# Allegro board PROC048A_BRD.brd (continued)
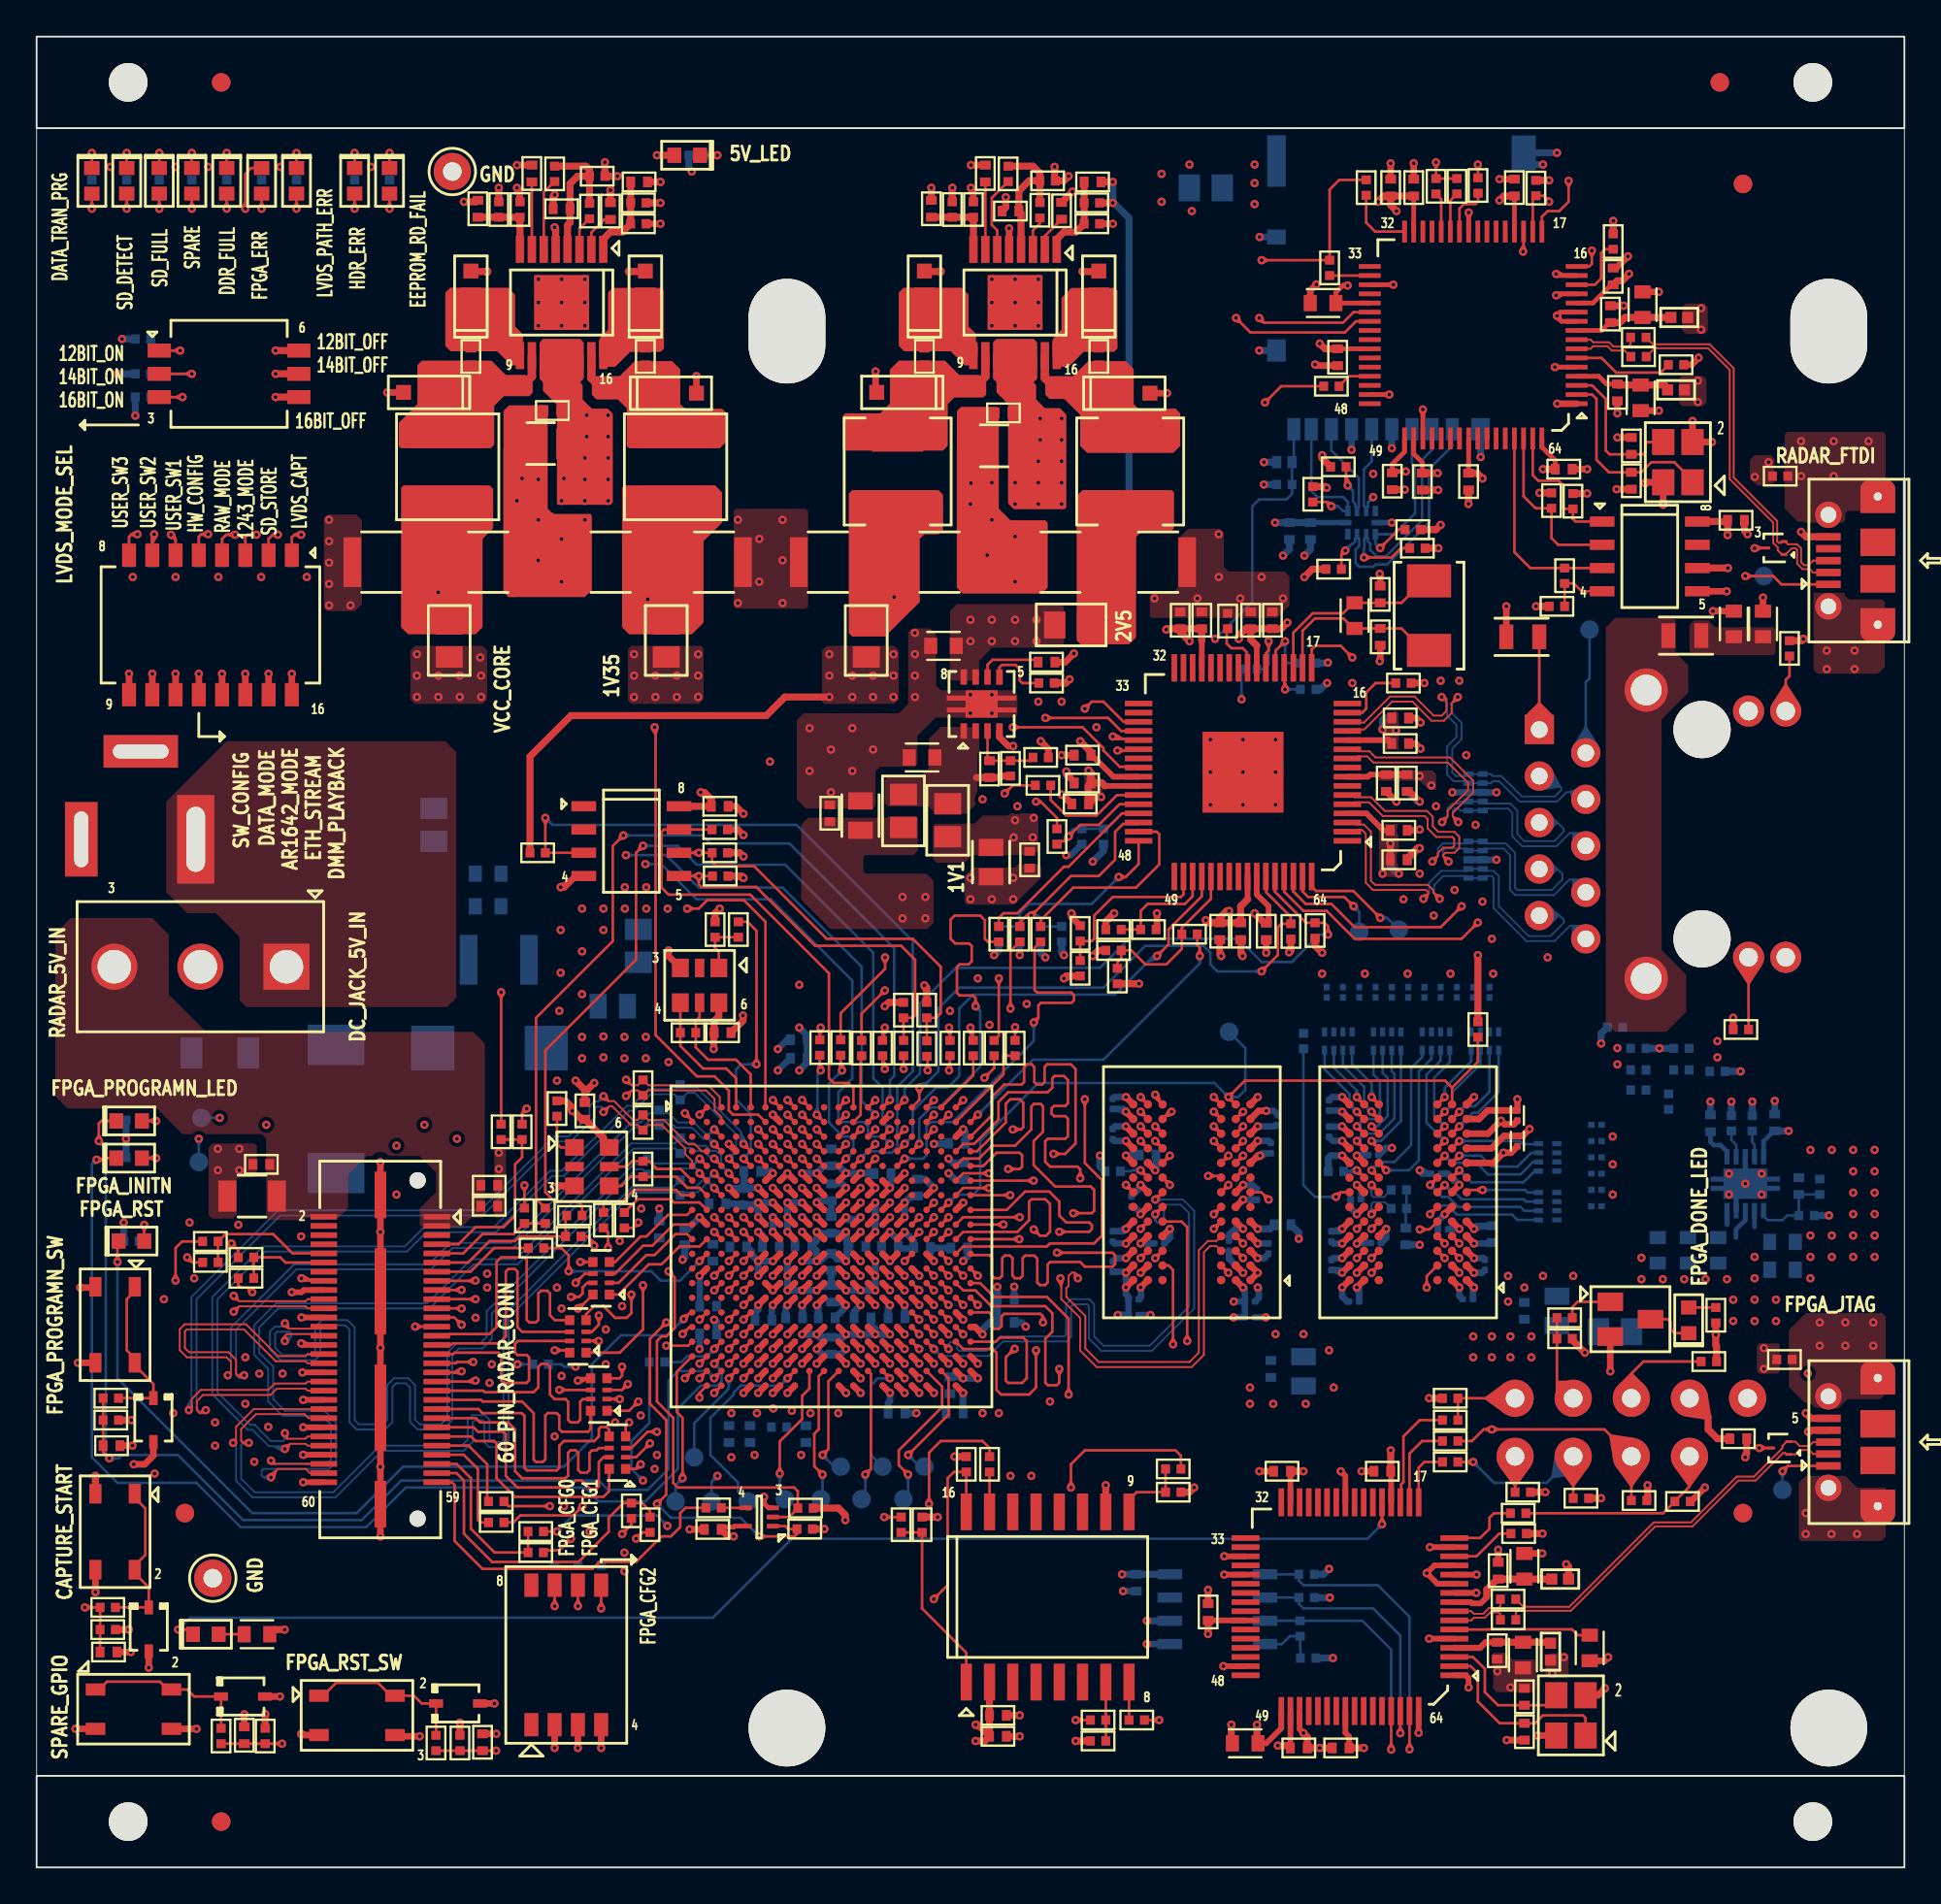
[diagram p0: board, top side]
## Routing (per net, layer and track width the routed paths; a pad name or vN(x,y) marks a point on that pad's centre or on a via; arc(x,y) is an arc through that point) (continued)
DDR3_DQ4: length 36.8
  TOP w0.14: v1(75.53,34.84) 76.07,34.84 U11.E3 ; U12.U20 52.38,28.71 52.61,28.94 53.88,28.94 54.07,28.75 54.07,26.72 53.82,26.46 53.05,26.46 52.93,26.59 52.93,27.86 53.39,28.33 v1(53.41,28.33)
  L08_SIG2 w0.107: v1(53.41,28.33) 54.01,27.73 54.77,27.73 55.38,28.34 57.53,28.34 58.05,27.81 62.03,27.81 62.46,28.25 68.29,28.25 68.67,28.63 68.67,29.89 69.06,30.27 72.04,30.27 72.74,30.97 72.74,30.97 75.15,33.38 75.15,34.46 v1(75.53,34.84)
DDR3_DQ5: length 36.8
  TOP w0.14: U12.P18 v1(49.8,30.71) ; U11.E8 v1(72.1,34.88)
  L08_SIG2 w0.107: v1(72.1,34.88) 71.62,35.35 68.52,35.35 68.32,35.15 68.32,32.92 68.21,32.81 68,32.81 67.89,32.92 67.89,35.12 67.78,35.23 67.4,35.23 67.28,35.1 67.28,32.48 66.9,32.1 64.63,32.1 64.53,32.2 64.53,33.27 64.42,33.37 64.21,33.37 64.1,33.27 64.1,32.2 63.99,32.1 63.78,32.1 63.67,32.2 63.67,33.27 63.56,33.37 63.35,33.37 63.24,33.27 63.24,31.95 62.96,31.67 61.31,31.67 60.88,32.1 58.69,32.1 58.26,31.67 53.94,31.67 53.56,31.29 50.38,31.29 v1(49.8,30.71)
DDR3_DQ6: length 36.8
  TOP w0.14: U11.D2 v1(77.7,34.08) ; U12.U16 v1(48.2,28.31)
  L08_SIG2 w0.107: v1(48.2,28.31) 48.58,27.93 51.58,27.93 51.91,27.61 51.91,27.1 52.48,26.53 64.1,26.53 64.57,27 71.38,27 74.77,30.4 74.77,31.07 75.76,32.06 77.83,32.06 78.08,32.3 78.08,33.7 v1(77.7,34.08)
DDR3_DQ7: length 36.6
  TOP w0.14: U11.E7 v1(72.9,34.88) ; U12.P20 v1(51.4,30.71)
  L08_SIG2 w0.107: v1(51.4,30.71) 53.62,30.71 54.2,31.29 67.28,31.29 67.53,31.54 67.53,32.18 67.66,32.3 68.04,32.3 68.42,31.92 68.8,31.92 68.93,32.05 68.93,33.79 69.04,33.9 69.33,33.9 69.44,33.79 69.44,32 69.51,31.92 69.76,31.92 69.86,32.03 69.86,34.74 69.97,34.84 70.71,34.84 71.09,34.46 72.48,34.46 72.73,34.21 73.63,34.21 74.39,34.97 75.02,34.97 75.28,35.23 75.28,35.63 75.17,35.73 73.75,35.73 v1(72.9,34.88)
DDR3_DQ8: length 30.9
  TOP w0.14: U12.M19 v1(50.6,32.31) ; U10.B3 v1(65.09,32.48)
  L03_SIG1 w0.107: v1(50.6,32.31) 51.78,31.13 51.78,30.27 51.91,30.15 52.89,30.15 53,30.04 53,29.16 53.11,29.05 53.32,29.05 53.43,29.16 53.43,30.04 53.53,30.15 54.32,30.15 54.45,30.02 54.45,29.26 54.6,29.1 60.9,29.1 61.69,29.89 64,29.89 64.1,30 64.1,31.15 64.25,31.29 64.63,31.29 64.74,31.18 64.74,29.64 64.86,29.51 65.75,29.51 65.88,29.64 65.88,30.94 64.61,32.21 64.61,34.04 64.72,34.14 64.95,34.14 65.09,34.01 v1(65.09,32.48)
DDR3_DQ9: length 30.6
  TOP w0.14: U12.L16 v1(47.4,33.11) ; U10.C7 v1(61.09,33.28)
  L03_SIG1 w0.107: v1(61.09,33.28) 61.09,33.98 61.19,34.08 63.42,34.08 63.53,34.19 63.53,35.05 63.42,35.16 62.43,35.16 62.32,35.05 62.32,34.59 62.2,34.46 60.04,34.46 59.87,34.29 59.87,32.96 59.76,32.86 59.21,32.86 59.11,32.96 59.11,33.98 59,34.08 58.77,34.08 58.57,33.88 58.57,32.49 58.46,32.38 58.11,32.38 58.01,32.49 58.01,33.21 57.9,33.32 56.23,33.32 55.97,33.07 54.83,33.07 54,33.9 52.41,33.9 51.33,34.97 50.75,34.97 50.64,35.08 50.64,35.79 50.53,35.89 49.64,35.89 49.42,35.67 49.42,35.36 49.16,35.09 48.84,35.09 48.62,34.87 48.62,34.57 48.39,34.33 47.72,34.33 47.4,34.01 v1(47.4,33.11)
DDR3_DQ10: length 31.1
  TOP w0.14: U12.R16 v1(48.2,29.91) ; U10.C2 v1(65.89,33.28)
  L03_SIG1 w0.107: v1(48.2,29.91) 48.61,29.51 48.61,27.37 49.68,26.3 64.95,26.3 65.37,26.72 65.37,28.43 65.61,28.67 66.31,28.67 66.64,29 66.64,30.78 67.6,31.74 67.6,33.13 67.03,33.7 66.31,33.7 v1(65.89,33.28)
DDR3_DQ11: length 30.7
  TOP w0.14: U12.N17 v1(49,31.51) ; U10.C8 v1(60.29,33.28)
  L03_SIG1 w0.107: v1(49,31.51) 48.62,31.13 48.04,31.13 47.82,31.36 47.82,33.7 48.07,33.96 48.46,33.96 48.76,34.25 49.1,34.25 49.42,34.57 49.42,34.87 49.64,35.09 50.13,35.09 50.26,34.97 50.26,34.72 50.4,34.58 51.27,34.58 52.28,33.57 53.56,33.57 54.45,32.69 57.24,32.69 57.87,32.06 63.35,32.06 63.47,32.18 63.47,33.66 63.36,33.76 62.64,33.76 62.53,33.66 62.53,32.79 62.42,32.69 62.21,32.69 62.1,32.79 62.1,33.6 62,33.7 61.67,33.7 61.56,33.6 61.56,32.67 61.46,32.56 60.8,32.56 60.67,32.69 60.67,32.89 v1(60.29,33.28)
DDR3_DQ12: length 30.7
  TOP w0.14: U12.M20 v1(51.4,32.31) ; U10.E3 v1(64.29,34.88)
  L03_SIG1 w0.107: v1(51.4,32.31) 51.75,32.31 52.09,31.98 52.09,31.28 52.1,31.27 52.1,30.58 52.21,30.47 55.36,30.47 55.47,30.36 55.47,29.51 55.55,29.43 56.35,29.43 56.46,29.53 56.46,30.48 56.56,30.59 56.78,30.59 56.88,30.48 56.88,29.53 56.99,29.43 57.51,29.43 57.62,29.53 57.62,30.73 57.73,30.84 58.41,30.84 58.51,30.73 58.51,29.55 58.64,29.43 60.72,29.43 61.5,30.21 62.75,30.21 62.86,30.32 62.86,31.12 62.97,31.22 63.18,31.22 63.29,31.12 63.29,30.32 63.39,30.21 63.62,30.21 63.72,30.32 63.72,31.29 64.17,31.74 64.17,34.21 64.42,34.46 65.39,34.46 65.5,34.57 65.5,35.35 65.27,35.58 64.99,35.58 v1(64.29,34.88)
DDR3_DQ13: length 31.1
  TOP w0.14: U12.N18 v1(49.8,31.51) ; U10.E8 v1(60.29,34.88)
  L03_SIG1 w0.107: v1(49.8,31.51) 49.42,31.9 49.42,33.27 49.64,33.5 51.02,33.5 52.21,32.3 52.82,32.3 52.93,32.2 52.93,31.01 53.03,30.91 57.24,30.91 57.37,31.03 57.37,31.61 57.5,31.73 58.07,31.73 58.2,31.61 58.2,31.29 58.32,31.16 59.48,31.16 59.59,31.06 59.59,30.25 59.69,30.15 60.06,30.15 60.17,30.25 60.17,31.18 60.27,31.29 61.54,31.29 61.65,31.18 61.65,30.76 61.75,30.65 62.22,30.65 62.32,30.76 62.32,31.44 62.43,31.54 63.47,31.54 63.85,31.92 63.85,35.37 63.74,35.48 61.69,35.48 61.09,34.88 v1(60.29,34.88)
DDR3_DQ14: length 31.1
  TOP w0.14: U10.D2 v1(65.89,34.08) ; U12.L18 v1(49.8,33.11)
  L03_SIG1 w0.107: v1(65.89,34.08) 65.61,34.08 65.5,33.97 65.5,33.07 65.71,32.86 67.17,32.86 67.28,32.75 67.28,32.2 67.17,32.1 66.43,32.1 66.31,31.97 66.31,29.3 66.13,29.13 64.36,29.13 63.98,29.51 61.82,29.51 61.04,28.73 52.69,28.73 52.55,28.88 52.55,29.28 52.44,29.38 52.14,29.38 52.04,29.28 52.04,28.47 51.93,28.37 51.15,28.37 50.98,28.53 50.98,31.33 50.22,32.09 50.22,32.7 v1(49.8,33.11)
DDR3_DQ15: length 30.7
  TOP w0.14: U12.M18 v1(49.8,32.31) ; v1(62.83,28.75) 62.83,34.97 62.53,35.28 U10.E7
  L03_SIG1 w0.107: v1(49.8,32.31) 49.8,32.06 50.22,31.64 50.22,28.64 50.84,28.02 51.66,28.02 51.87,27.81 55.67,27.81 56.27,28.41 59.47,28.41 59.62,28.26 59.62,27.22 59.73,27.11 59.94,27.11 60.05,27.22 60.05,28.26 60.16,28.37 60.37,28.37 60.48,28.26 60.48,27.22 60.58,27.11 60.8,27.11 60.9,27.22 60.9,28.26 61.01,28.37 61.52,28.37 61.63,28.47 61.63,28.81 62,29.19 62.67,29.19 62.83,29.02 v1(62.83,28.75)
DDR3_DQS0: length 36.8
  TOP w0.102: U12.T19 v1(50.6,29.11) ; U11.C3 v1(76.9,33.28)
  L08_SIG2 w0.089: v1(50.6,29.11) 50.6,28.71 50.69,28.62 50.94,28.62 51.03,28.71 51.03,29.36 51.4,29.73 52.17,29.73 52.29,29.61 52.29,27.35 52.71,26.93 54.83,26.93 55.63,27.73 57.24,27.73 57.77,27.21 62.69,27.21 63.12,27.64 69.47,27.64 69.9,28.07 69.9,29.58 69.99,29.67 70.34,29.67 70.43,29.58 70.43,29.01 70.69,28.75 71.11,28.75 71.37,29.01 71.37,29.58 71.46,29.67 72.29,29.67 76.16,33.54 76.64,33.54 v1(76.9,33.28)
DDR3_DQS0N: length 36.8
  TOP w0.102: U12.R18 v1(49.8,29.91) ; U11.D3 v1(76.9,34.08)
  L08_SIG2 w0.089: v1(49.8,29.91) 49.8,29.72 49.97,29.54 50.62,29.54 50.8,29.54 51.28,30.02 52.29,30.02 52.58,29.73 52.58,27.47 52.83,27.22 54.7,27.22 55.51,28.03 57.37,28.03 57.89,27.5 62.57,27.5 63,27.93 69.35,27.93 69.61,28.19 69.61,29.7 69.87,29.96 70.47,29.96 70.73,29.7 70.73,29.13 70.81,29.04 70.99,29.04 71.08,29.13 71.08,29.7 71.34,29.96 72.17,29.96 76.04,33.83 76.65,33.83 v1(76.9,34.08)
DDR3_DQS1: length 31.2
  TOP w0.102: U12.N16 v1(48.2,31.51) ; v1(55.91,32.18) 55.95,32.13 55.95,31.04 56.99,30 56.99,28.23 57.89,27.33 63.08,27.33 63.75,28 63.75,33.6 64.08,33.94 64.43,33.94 U10.C3
  L03_SIG1 w0.089: v1(55.91,32.18) 55.91,31.64 55.82,31.54 54.61,31.54 54.2,31.96 54.2,32.18 53.18,33.19 52.2,33.19 51.14,34.25 49.54,34.25 49.23,33.94 48.89,33.94 48.24,33.29 48.24,32.89 48.61,32.53 48.61,31.92 v1(48.2,31.51)
DDR3_DQS1N: length 31.2
  TOP w0.102: v1(56.86,32.18) 56.86,32.3 56.68,32.49 56.54,32.49 56.36,32.3 56.36,31.76 56.23,31.64 56.23,31.16 57.27,30.12 57.27,28.34 58.01,27.61 62.96,27.61 63.47,28.11 63.47,33.72 63.97,34.22 64.43,34.22 U10.D3 ; U12.M17 v1(49,32.31)
  L03_SIG1 w0.089: v1(49,32.31) 48.99,32.33 48.99,32.56 48.53,33.02 48.53,33.17 49.01,33.65 49.35,33.65 49.66,33.96 51.02,33.96 52.08,32.9 53.06,32.9 53.9,32.06 53.9,31.84 54.49,31.25 55.94,31.25 56.2,31.52 56.2,31.77 56.36,31.92 56.36,32.05 56.48,32.18 v1(56.86,32.18)
DDR3_ODT: length 45.7
  TOP w0.14: U12.T16 v1(48.2,29.11) ; U11.G1 78.22,37 v1(78.96,37) ; U10.G1 66.88,36.88 v1(67.28,36.48)
  L08_SIG2 w0.107: v1(48.2,29.11) 48.58,28.73 49.16,28.73 49.42,28.99 49.42,31.72 49.62,31.92 51.91,31.92 52.29,32.3 54.32,32.3 54.83,32.81 54.83,33.83 55.28,34.28 55.28,34.79 55.65,35.15 56.05,35.15 57.51,33.7 61.81,33.7 63.85,35.73 63.85,35.99 64.1,36.24 65.12,36.24 65.3,36.06 66.86,36.06 v1(67.28,36.48) 67.64,36.11 71.34,36.11 71.72,36.5 78.07,36.5 78.58,35.99 79.09,35.99 79.22,36.11 79.22,36.75 v1(78.96,37)
  BOTTOM w0.14: RA10.8 81.43,36.86 81.29,37 v1(78.96,37)
DDR3_RASN: length 49.5
  TOP w0.14: v1(55.85,34.72) 57.49,34.72 57.63,34.86 57.63,35.09 57.49,35.23 56.23,35.23 55.85,35.61 55.85,36.37 55.3,36.92 53.98,36.92 52.98,35.91 U12.H20 ; U11.F3 v1(76.1,35.68) ; U10.F3 v1(64.29,35.68)
  L08_SIG2 w0.107: v1(55.85,34.72) 55.85,34.34 55.29,33.78 55.29,32.99 55.42,32.86 61.94,32.86 63.04,33.96 64.74,33.96 65,33.69 66.13,33.69 66.31,33.86 66.31,34.29 66.13,34.46 64.84,34.46 64.74,34.57 64.74,35.22 v1(64.29,35.68) 67,35.68 67.09,35.77 71.56,35.77 71.91,36.11 75.53,36.11 75.66,35.99 75.66,35.48 76.04,35.1 76.04,34.82 76.15,34.72 76.44,34.72 76.55,34.82 76.55,35.22 v1(76.1,35.68)
  BOTTOM w0.14: RA10.5 80.87,35.36 80.57,35.66 77.55,35.66 77.06,36.15 76.57,36.15 v1(76.1,35.68)
DDR3_RSTN: length 42.5
  TOP w0.14: 77.3,42.59 U11.N2 ; 77.3,42.59 78.71,44 R69.2 ; 77.3,42.59 76.92,42.97 65.98,42.97 v1(65.09,42.08) U10.N2 ; U12.H18 v1(49.8,36.31)
  BOTTOM w0.14: v1(49.8,36.31) 49.82,36.31 50.26,36.75 51.15,36.75 51.53,37.13 51.53,39.67 54.7,42.85 64.32,42.85 v1(65.09,42.08) 65.62,42.08 66.01,42.46 66.01,44.75 TP13.1
DDR3_VDD: length 45.2
  TOP w0.33: C74.2 v1(80.87,41.96)
  TOP w0.356: U11.K1 79.46,39.28 80.13,39.95 C75.2 81.15,39.95 v1(81.53,40.33) ; U10.C1 v1(66.69,33.28) ; C74.2 79.24,41.35 78.77,40.88 U11.M1 ; U10.E9 v1(59.49,34.88) ; U10.G8 v1(60.29,37.28) ; U10.E2 v1(65.89,34.88) ; U11.C1 v1(78.5,33.28) ; U10.K9 v1(59.49,39.68) ; U10.A2 v1(65.89,31.68) ; U11.A2 v1(77.7,31.68) ; U11.B9 v1(71.3,32.48) ; U11.K9 v1(71.3,39.68) ; U11.D7 v1(73.7,34.88) ; U10.M1 66.73,41.32 v1(67.15,41.32) ; U10.K1 v1(66.69,39.68) ; U11.G8 v1(72.1,37.28) ; U11.G2 v1(77.7,37.28) ; U11.E2 v1(77.7,34.88) ; U10.B9 v1(59.49,32.48) ; U11.M9 v1(71.3,41.28) ; U10.A9 v1(59.49,31.68) ; U10.G2 v1(65.89,37.28) ; U11.A9 v1(71.3,31.68) ; U11.E9 v1(71.3,34.88) ; U10.D7 v1(61.89,34.88) ; U10.M9 v1(59.49,41.28)
  BOTTOM w0.356: v1(65.89,31.68) 65.98,31.58 C193.1 ; v1(60.29,37.28) 60.29,37.2 60.29,37.19 60.29,37.16 C155.1 ; v1(66.69,33.28) 67.03,33.28 C178.1 ; C197.1 C190.1 59.63,31.16 59.49,31.31 v1(59.49,31.68) v1(59.49,32.48) 59.43,32.53 C186.1 ; v1(59.49,41.28) 59.34,41.42 C128.2 ; C193.1 v1(65.37,30.91) ; C193.1 C198.1 v1(65.37,30.04) ; v1(77.7,34.88) 77.11,34.88 C161.2 ; v1(71.3,39.68) 70.8,39.68 C134.2 ; v1(73.7,34.88) 73.7,34.39 C168.2 ; v1(65.89,37.28) 66.4,37.28 C152.1 ; v1(61.89,34.88) 61.89,34.38 C169.2 ; v1(66.69,39.68) 67.3,39.68 C138.2 ; C154.1 72.35,36.52 72.35,37.03 v1(72.1,37.28) ; C129.1 71.23,41.34 v1(71.3,41.28) ; v1(65.89,34.88) 65.45,34.88 65.12,34.55 C170.2 ; C130.1 67.56,41.32 v1(67.15,41.32) ; v1(77.7,31.68) 77.7,31.21 C189.1 ; C164.2 71.16,34.74 v1(71.3,34.88) ; v1(71.3,31.68) 71.3,31.19 71.57,30.91 C192.2 ; C185.2 71.15,32.62 v1(71.3,32.48) ; C146.2 77.06,37.89 77.44,37.51 77.46,37.51 v1(77.7,37.28) ; C135.1 58.86,39.68 v1(59.49,39.68) ; C184.2 79.01,33.28 v1(78.5,33.28) ; v1(59.49,34.88) 59.35,34.74 C165.1
  BOTTOM w0.381: C197.1 v1(59.05,30.17)
  vias: v1(67.66,29.13) v1(69.18,29.13) v1(70.58,28.24) v1(78.45,29) v1(78.45,27.86) v1(79.47,29) v1(79.47,27.86) v1(80.49,29) v1(80.49,27.86) v1(81.63,29) v1(81.63,27.86)
DDR3_VREF: length 2
  BOTTOM w0.254: U19.6 92.31,39.1 91.96,39.45 91.59,39.45 91.41,39.64 C132.2
DDR3_VTT: length 2.4
  BOTTOM w0.254: 92.8,34.4 92.8,34.84 93.31,35.35 U19.3
  BOTTOM w0.279: U19.5 92.31,35.12
DDR3_WEN: length 49.2
  TOP w0.14: v1(63.98,37.77) 64.6,37.77 U10.H3 ; U12.K20 v1(53.67,34.31) ; U11.H3 v1(76.1,37.28)
  L08_SIG2 w0.107: v1(76.1,37.28) 74.26,37.28 73.88,37.66 71.96,37.66 71.6,38.02 70.04,38.02 69.93,37.91 69.93,37.24 69.83,37.13 69.61,37.13 69.51,37.24 69.51,37.91 69.4,38.02 69.16,38.02 69.05,37.91 69.05,37.76 68.81,37.52 66.28,37.52 66.1,37.7 65.5,37.7 65.43,37.77 v1(63.98,37.77) 63.98,37.36 63.87,37.26 62.94,37.26 62.83,37.15 62.83,35.99 62.58,35.73 61.82,35.73 61.46,36.1 60.57,36.1 60.17,36.5 58.81,36.5 58.7,36.39 58.7,34.7 58.59,34.59 58.38,34.59 58.27,34.7 58.27,36.39 58.17,36.5 57.95,36.5 57.85,36.39 57.85,34.7 57.74,34.59 57.53,34.59 57.42,34.7 57.42,36.11 57.23,36.3 55.28,36.3 54.96,35.99 54.96,34.46 54.51,34.01 54.51,33.11 54.22,32.81 53.29,32.81 53.18,32.92 53.18,34.08 53.41,34.31 v1(53.67,34.31)
  BOTTOM w0.14: 82.02,35.86 81.24,35.86 81.03,36.08 77.64,36.08 77.09,36.62 76.75,36.62 v1(76.1,37.28)
DDR_1V35: length 24.6
  TOP w0.381: C5.1 v1(34.07,92.06) ; R10.1 v1(34.07,90.92)
  L05_PWR1 w0.381: v1(33.37,69.26) 33.37,90.22 v1(34.07,90.92) v1(34.07,92.06)
DDR_FULL_LED7: length 80.1
  TOP w0.14: U12.E10 v1(42.6,38.71) ; LD6.1 v1(10.38,93.65)
  L03_SIG1 w0.107: v1(10.38,93.65) 10.38,93.52 28.67,75.23 43.02,75.23 44.98,73.27 44.98,59.54 44.4,58.96 44.4,42.66 43.78,42.04 43.78,39.8 43.15,39.16 43.05,39.16 v1(42.6,38.71)
DMM_CLK: length 23.4
  TOP w0.14: v1(31.21,33.83) 31.21,34.68 R94.2 ; J3.15 23.96,32.04 v1(23.97,32.05)
  L03_SIG1 w0.107: v1(23.97,32.05) 23.97,39.04 24.71,39.77 30.6,39.77 31.21,39.16 v1(31.21,33.83)
DMM_CLK_C: length 5.7
  TOP w0.14: R94.1 30.96,36.23 31.1,36.37 31.97,36.37 32.61,37 34.92,37 35.21,36.71 U12.G1
DMM_MUX_CTL: length 15.9
  TOP w0.14: J3.16 15.66,32.06 14.58,32.06 v1(14.46,32.18)
  L08_SIG2 w0.107: v1(26.26,27.48) 25.11,28.62 22.95,28.62 19.4,32.18 v1(14.46,32.18)
  BOTTOM w0.14: v1(26.26,27.48) R120.2
DMM_MUX_CTL_C: length 13.1
  TOP w0.14: U12.P5 v1(38.6,30.71)
  L08_SIG2 w0.107: v1(29.43,27.35) 30.07,27.99 33.24,27.99 34.89,29.64 34.89,30.4 35.21,30.71 v1(38.6,30.71)
  BOTTOM w0.14: v1(29.43,27.35) 28.8,27.35 28.67,27.48 R120.1
DMM_SYNC: length 24
  TOP w0.14: v1(32.86,35.23) 32.57,34.93 R95.2 ; v1(23.21,31.54) 22.89,31.54 22.88,31.54 J3.17
  L03_SIG1 w0.107: v1(23.21,31.54) 23.21,38.78 24.61,40.18 30.83,40.18 31.59,39.42 31.59,35.61 31.97,35.23 v1(32.86,35.23)
DMM_SYNC_C: length 5
  TOP w0.14: U12.H2 36.2,36.32 34.82,36.32 34.64,36.5 32.82,36.5 R95.1
DONE: length 60.5
  TOP w0.14: U12.Y3 v1(37,25.91) ; TP2.1 83.03,26.51 R107.2 R104.2
  L08_SIG2 w0.107: v1(37,25.91) 37,23.97 38.96,22.02 49.88,22.02 50.01,21.89 65.15,21.89 67.31,19.73 80.39,19.73 82.39,21.73 82.39,25.32 82.7,25.62 TP2.1
DP0: length 23.1
  TOP w0.14: v1(29.69,33.07) 29.82,33.07 29.83,33.07 RA1.5 ; v1(23.97,31.03) 23.39,31.03 23.39,31.04 J3.19
  L03_SIG1 w0.107: v1(29.69,33.07) 29.69,35.35 29.18,35.86 26.34,35.86 26.23,35.75 26.23,32.16 26.12,32.05 25.75,32.05 25.62,32.18 25.62,35.75 25.52,35.86 25.24,35.86 25.11,35.73 25.11,31.16 24.99,31.03 v1(23.97,31.03)
DP0_C: length 5.7
  TOP w0.14: RA1.4 31.59,33.07 32.99,34.46 33.3,34.46 34.48,35.64 35.53,35.64 U12.H1
DP1: length 23.1
  TOP w0.14: v1(23.21,30.53) 22.95,30.53 22.95,30.54 J3.21 ; v1(29.43,31.92) 29.94,32.43 RA1.6
  L03_SIG1 w0.107: v1(29.43,31.92) 28.8,31.92 28.54,32.18 28.54,35.35 28.42,35.48 27.15,35.48 27.02,35.35 27.02,30.78 26.76,30.53 26.1,30.53 25.99,30.42 25.99,28.92 25.88,28.82 25.67,28.82 25.56,28.92 25.56,30.42 25.46,30.53 25.24,30.53 25.14,30.42 25.14,28.92 25.03,28.82 24.82,28.82 24.71,28.92 24.71,30.42 24.6,30.53 v1(23.21,30.53)
DP1_C: length 5.6
  TOP w0.14: RA1.3 31.41,32.43 31.41,32.43 31.59,32.43 33.11,33.96 33.62,33.96 34.78,35.11 U12.J1
DP2: length 23.4
  TOP w0.14: RA1.7 30.2,31.93 30.19,31.92 30.07,31.92 29.81,31.67 29.81,31.35 29.63,31.16 v1(29.18,31.16) ; v1(23.21,29.64) 22.81,30.04 J3.23
  L03_SIG1 w0.107: v1(29.18,31.16) 27.76,31.16 27.65,31.06 27.65,28.88 27.27,28.49 22.19,28.49 21.81,28.88 21.81,33.71 21.93,33.83 22.33,33.83 22.45,33.71 22.45,29.87 22.68,29.64 v1(23.21,29.64)
DP2_C: length 5.7
  TOP w0.14: RA1.2 31.78,31.93 33.3,33.45 33.75,33.45 34.89,34.59 35.53,34.59 U12.K1
DP3: length 21.7
  TOP w0.14: v1(29.56,30.53) 29.62,30.53 RA1.8 ; J3.25 v1(20.67,29.54)
  L03_SIG1 w0.107: v1(29.56,30.53) 29.56,29.38 29.43,29.26 28.54,29.26 27.4,28.11 22.57,28.11 22.19,27.73 22.19,24.3 22.08,24.19 21.42,24.19 21.3,24.3 21.3,29.38 21.15,29.54 v1(20.67,29.54)
DP3_C: length 6.6
  TOP w0.14: RA1.1 31.78,31.29 33.43,32.94 34.13,32.94 35.11,33.92 36.21,33.92 U12.K2
DP4: length 17.4
  TOP w0.14: RA2.5 28.3,29.89 28.03,30.16 28.03,31.36 27.9,31.5 27.54,31.5 27.4,31.36 27.4,29.9 27.26,29.76 26.9,29.76 26.76,29.9 26.76,33.18 26.63,33.32 25.37,33.32 25.11,33.07 25.11,29.51 24.73,29.13 22.57,29.13 22.48,29.04 J3.27
DP4_C: length 11.4
  TOP w0.14: RA2.4 30.01,30.21 30.45,30.65 30.96,30.65 31.59,30.02 32.23,30.02 32.48,30.27 v1(32.48,31.29) ; U12.K3 v1(37,34.71)
  L03_SIG1 w0.107: v1(37,34.71) 36.8,34.71 36.8,34.72 35.02,34.72 32.48,32.18 v1(32.48,31.29)
DP5: length 14.2
  TOP w0.14: J3.29 22.62,28.54 22.7,28.62 25.24,28.62 25.62,29 25.62,32.55 25.76,32.69 26.12,32.69 26.26,32.55 26.26,29.51 26.51,29.25 RA2.6
DP5_C: length 14.5
  TOP w0.14: v1(30.7,30.15) 30.7,29.64 30.32,29.26 30.31,29.26 30.31,29.25 RA2.3 ; U12.K4 v1(37.8,34.71)
  L03_SIG1 w0.107: v1(37.8,34.71) 38.19,35.11 38.19,35.86 37.81,36.24 35.02,36.24 30.7,31.92 v1(30.7,30.15)
DP6: length 12.3
  TOP w0.14: 29.11,28.75 26.28,28.75 26.13,28.61 26.13,28.11 26.26,27.99 26.76,27.99 26.89,27.86 26.89,26.6 26.75,26.46 25.51,26.46 25.37,26.6 25.37,27.97 25.23,28.11 22.83,28.11 22.75,28.04 J3.31
DP6_C: length 16.5
  TOP w0.14: 30.01,28.75 30.57,28.75 30.57,28.75 v1(30.7,28.75) ; U12.J5 v1(38.6,35.51)
  L03_SIG1 w0.107: v1(38.6,35.51) 38.6,36.09 38.07,36.62 34,36.62 33.5,36.11 33.5,35.23 30.19,31.92 30.19,28.88 30.32,28.75 v1(30.7,28.75)
DP7: length 15
  TOP w0.14: v1(23.84,27.61) 22.95,27.61 22.89,27.54 J3.33 ; v1(28.29,28.24) 28.98,28.24 RA2.8
  L03_SIG1 w0.107: v1(28.29,28.24) 28.67,28.62 29.69,28.62 29.81,28.49 29.81,27.99 29.69,27.86 28.92,27.86 28.03,26.97 28.03,25.32 27.91,25.19 25.47,25.19 25.37,25.3 25.37,26.59 24.99,26.97 24.48,26.97 v1(23.84,27.61)
DP7_C: length 13.6
  TOP w0.14: v1(33.11,31.8) 33.11,29.38 31.85,28.12 RA2.1 ; U12.K5 v1(38.6,34.71)
  L03_SIG1 w0.107: v1(38.6,34.71) 38.1,34.21 35.02,34.21 33.62,32.81 33.62,32.3 v1(33.11,31.8)
DP8: length 14.2
  TOP w0.14: v1(29.56,26.59) 29.68,26.72 RA3.5 ; J3.35 23.15,27.04 v1(23.21,27.1)
  L03_SIG1 w0.107: v1(23.21,27.1) 22.7,26.59 22.7,24.43 22.95,24.18 29.18,24.18 29.56,24.56 v1(29.56,26.59)
DP8_C: length 14.3
  TOP w0.14: RA3.4 31.83,26.72 31.97,26.86 v1(31.97,27.35) ; U12.J4 v1(37.8,35.51)
  L03_SIG1 w0.107: v1(31.97,27.35) 31.97,30.02 31.54,30.45 31.54,31.74 34.89,35.1 37.39,35.1 v1(37.8,35.51)
DP9: length 14.3
  TOP w0.14: J3.37 23.92,26.54 v1(23.97,26.59) ; RA3.6 29,26.08 28.99,26.08 v1(28.54,26.08)
  L03_SIG1 w0.107: v1(23.97,26.59) 23.59,26.59 23.22,26.22 23.22,24.67 23.34,24.56 29.05,24.56 29.18,24.68 29.18,25.95 29.05,26.08 v1(28.54,26.08)
DP9_C: length 14.2
  TOP w0.14: RA3.3 31.97,26.08 v1(32.29,26.4) ; U12.L5 v1(38.6,33.11)
  L03_SIG1 w0.107: v1(38.6,33.11) 37.91,33.81 35.13,33.81 34,32.69 34,32 32.41,30.4 32.41,26.52 v1(32.29,26.4)
DP10: length 13.6
  TOP w0.14: J3.39 24.4,26.04 24.48,25.95 27.13,25.95 27.4,26.22 27.4,27.34 27.56,27.5 27.9,27.5 28.03,27.36 28.03,25.83 28.29,25.57 28.89,25.57 29.03,25.43 29.03,24.44 29.17,24.3 29.55,24.3 29.69,24.44 29.69,25.43 29.83,25.57 30.25,25.57 RA3.7
DP10_C: length 15.5
  TOP w0.14: v1(31.84,25.57) 31.84,25.58 RA3.2 ; U12.J3 v1(37,35.51)
  L03_SIG1 w0.107: v1(37,35.51) 36.62,35.89 35.18,35.89 31.21,31.92 31.21,31.29 31.22,31.28 31.22,30.27 31.54,29.95 31.54,25.88 v1(31.84,25.57)
DP11: length 15.7
  TOP w0.14: J3.41 24.26,25.54 24.35,25.45 26.51,25.45 27.15,24.81 27.15,22.27 27.27,22.14 27.64,22.14 27.78,22.28 27.78,24.68 27.91,24.81 28.4,24.81 28.54,24.67 28.54,23.94 28.68,23.8 30.11,23.8 30.25,23.94 RA3.8
DP11_C: length 13.2
  TOP w0.14: v1(32.86,25.45) 32.35,24.94 RA3.1 ; U12.M4 v1(37.8,32.31)
  L03_SIG1 w0.107: v1(37.8,32.31) 37.42,32.7 35.92,32.7 34.89,31.67 34.64,31.67 33.17,30.2 33.17,25.75 v1(32.86,25.45)
DP12: length 14.8
  TOP w0.14: J3.43 24.13,25.04 24.35,24.81 26.5,24.81 26.64,24.67 26.64,21.82 26.78,21.68 28.4,21.68 28.54,21.82 28.54,23.03 28.8,23.29 30.45,23.29 30.7,23.54 30.7,23.95 30.8,24.05 31.13,24.05 31.27,23.91 RA4.5
DP12_C: length 14.2
  TOP w0.14: v1(32.35,24.3) 32.31,24.3 32.17,24.16 RA4.4 ; U12.L4 v1(37.8,33.11)
  L03_SIG1 w0.107: v1(37.8,33.11) 37.42,33.5 36.04,33.5 35.78,33.23 35.78,33.07 34.77,32.05 34.51,32.05 32.73,30.27 32.73,26.08 32.35,25.7 v1(32.35,24.3)
DP13: length 15.6
  TOP w0.14: RA4.6 30.7,22.9 30.57,22.78 30.33,22.78 30.19,22.64 30.19,21.7 30.05,21.56 29.72,21.56 29.58,21.7 29.58,22.64 29.44,22.78 29.16,22.78 29.02,22.64 29.02,21.4 28.88,21.26 26.51,21.26 26.13,21.64 26.13,23.92 25.75,24.3 24.22,24.3 23.99,24.54 J3.45
DP13_C: length 13.3
  TOP w0.14: RA4.3 32.48,22.9 33.37,23.8 v1(33.88,23.8) ; U12.N4 v1(37.8,31.51)
  L03_SIG1 w0.107: v1(33.88,23.8) 33.88,29.89 34.89,30.91 37.2,30.91 v1(37.8,31.51)
DP14: length 13.9
  TOP w0.14: RA4.7 31.26,22.4 30.96,22.4 30.7,22.14 30.7,20.82 30.56,20.68 30.22,20.68 29.77,21.13 29.43,21.13 29.05,20.75 26.26,20.75 25.62,21.38 25.62,23.66 25.48,23.8 24.1,23.8 23.86,24.04 J3.47
DP14_C: length 14.5
  TOP w0.14: v1(33.5,23.16) 32.74,22.4 RA4.2 ; U12.N5 v1(38.6,31.51)
  L03_SIG1 w0.107: v1(38.6,31.51) 37.61,30.53 35.15,30.53 34.83,30.21 34.83,27.92 34.38,27.48 34.38,23.41 34.13,23.16 v1(33.5,23.16)
DP15: length 13.2
  TOP w0.14: J3.49 23.72,23.54 23.97,23.29 24.99,23.29 25.11,23.16 25.11,21.26 26.13,20.24 30.96,20.24 31.27,20.55 RA4.8
DP15_C: length 15.8
  TOP w0.14: U12.M5 v1(38.6,32.31) ; v1(32.99,22.02) 32.74,21.77 RA4.1
  L03_SIG1 w0.107: v1(38.6,32.31) 38.21,31.92 36.42,31.92 35.78,31.29 34.77,31.29 33.5,30.02 33.5,24.3 32.99,23.8 v1(32.99,22.02)
ECP5U_VREF: length 0.6
  TOP w0.356: U12.P16 v1(48.2,30.71)
  vias: v1(51.66,24.81) v1(52.55,24.81) v1(91.79,45.13) v1(91.79,44.24)
EEPROM_ADD: length 41.4
  TOP w0.14: U12.E12 v1(45,38.71) ; v1(27.78,57.32) R50.2 U7.3
  BOTTOM w0.14: v1(27.78,57.32) 28.16,56.94 41.5,56.94 47.85,50.59 47.85,43.48 47,42.63 47,39.33 46.7,39.04 46.05,39.04 45.97,39.12 45.4,39.12 v1(45,38.71)
EEPROM_RD_FAIL_LED6: length 76
  TOP w0.14: U12.C11 v1(44.2,40.31) ; LD9.1 v1(19.27,93.65)
  L03_SIG1 w0.107: v1(44.2,40.31) 44.2,40.34 44.93,41.07 44.93,41.58 45.89,42.55 45.89,56.76 47.34,58.21 47.34,74.85 43.4,78.79 29.18,78.79 20.67,87.3 20.67,92.25 v1(19.27,93.65)
EEPROM_WP: length 25.3
  TOP w0.14: U12.A12 44.6,42.58 44.34,42.85 43.53,42.85 43.27,43.11 43.27,48.84 38.97,53.13 34.51,53.13 34.12,53.52 34.12,56.56 34.25,56.69 U7.7 R49.1
ETH_D0N: length 20.9
  TOP w0.102: U6.3 71.97,57.07 72.09,56.96 72.48,56.96 72.87,56.58 72.87,53.89 73.09,53.67 75.98,53.67 76.27,53.38 76.27,53.26 v1(76.63,52.9)
  BOTTOM w0.102: v1(76.63,52.9) 76.32,53.21 76.32,53.65 76.82,54.15 78.08,54.15 U18.6 U18.5 79.08,54.15 79.46,54.15 79.57,54.03 79.57,52.38 81.36,50.59 82.9,50.59 83.74,51.44 83.89,51.44 J6.10
ETH_D0P: length 21
  TOP w0.102: U6.2 71.99,56.57 72.1,56.68 72.36,56.68 72.59,56.46 72.59,53.78 72.98,53.39 75.87,53.39 75.99,53.26 75.99,53.16 v1(75.74,52.9)
  BOTTOM w0.102: v1(75.74,52.9) 76.04,53.21 76.04,53.77 76.7,54.43 78.09,54.43 U18.7 U18.4 79.08,54.43 79.57,54.43 79.85,54.15 79.85,52.5 81.48,50.87 82.67,50.87 83.41,51.61 83.41,51.76 83.18,51.99 J6.9
ETH_D1N: length 21
  TOP w0.102: v1(77.11,54.94) 76.8,55.24 76.8,55.29 76.93,55.42 77.43,55.42 77.69,55.68 77.69,56.3 77.43,56.56 76.55,56.56 76.24,56.87 76.24,57.39 75.93,57.7 73.63,57.7 72.88,58.45 71.99,58.45 71.87,58.57 U6.6
  BOTTOM w0.102: v1(77.11,54.94) 76.8,55.24 76.8,55.55 76.91,55.65 78.09,55.65 U18.9 U18.2 79.08,55.65 80.12,55.65 80.46,55.3 80.46,53.4 80.75,53.11 82.86,53.11 83.71,53.96 83.9,53.96 J6.8
ETH_D1P: length 21
  TOP w0.102: v1(76.22,54.94) 76.52,55.24 76.52,55.41 76.81,55.7 77.31,55.7 77.41,55.8 77.41,56.18 77.31,56.28 76.43,56.28 75.96,56.75 75.96,57.27 75.81,57.43 73.51,57.43 72.76,58.17 71.96,58.17 71.86,58.07 U6.5
  BOTTOM w0.102: v1(76.22,54.94) 76.52,55.24 76.52,55.66 76.79,55.93 78.09,55.93 U18.10 U18.1 79.08,55.93 80.23,55.93 80.74,55.42 80.74,53.51 80.87,53.39 82.75,53.39 83.32,53.96 83.32,54.26 83.05,54.53 J6.7
ETH_D2N: length 20.8
  TOP w0.102: v1(77.64,57.1) 77.34,57.4 77.34,57.6 78.45,58.72 78.45,59.36 77.18,60.63 73.12,60.63 72.78,60.96 72.15,60.96 72.04,61.07 U6.11
  BOTTOM w0.102: J6.6 83.9,56.5 83.73,56.5 83,55.77 81.13,55.77 80.59,56.32 80.59,57.6 80.36,57.83 79.08,57.83 U17.5 U17.6 77.76,57.72 77.65,57.83 77.44,57.83 77.34,57.73 77.34,57.4 v1(77.64,57.1)
ETH_D2P: length 20.8
  TOP w0.102: U6.10 72.05,60.57 72.16,60.68 72.67,60.68 73,60.35 77.07,60.35 78.17,59.24 78.17,58.84 77.06,57.72 77.06,57.4 v1(76.75,57.1)
  BOTTOM w0.102: J6.5 83.05,57.07 83.39,56.73 83.39,56.56 82.88,56.05 81.25,56.05 80.87,56.43 80.87,57.72 80.48,58.11 79.08,58.11 U17.4 U17.7 77.76,58.22 77.65,58.11 77.32,58.11 77.06,57.85 77.06,57.4 v1(76.75,57.1)
